# Altium PCB PCB_control_unit_2.PcbDoc (part 2 of 2)
Units mm, origin at the board's own origin, x right, y up, seen from the top; angles counter-clockwise.
Board outline 61.5 x 45 mm, 4 copper layers (Top Layer, INT1, INT2, Bottom Layer), stack 1.422 mm thick; 123 components, 75 nets, 403 pads, 141 vias.
Unrouted connection lines stored in the file: 8.
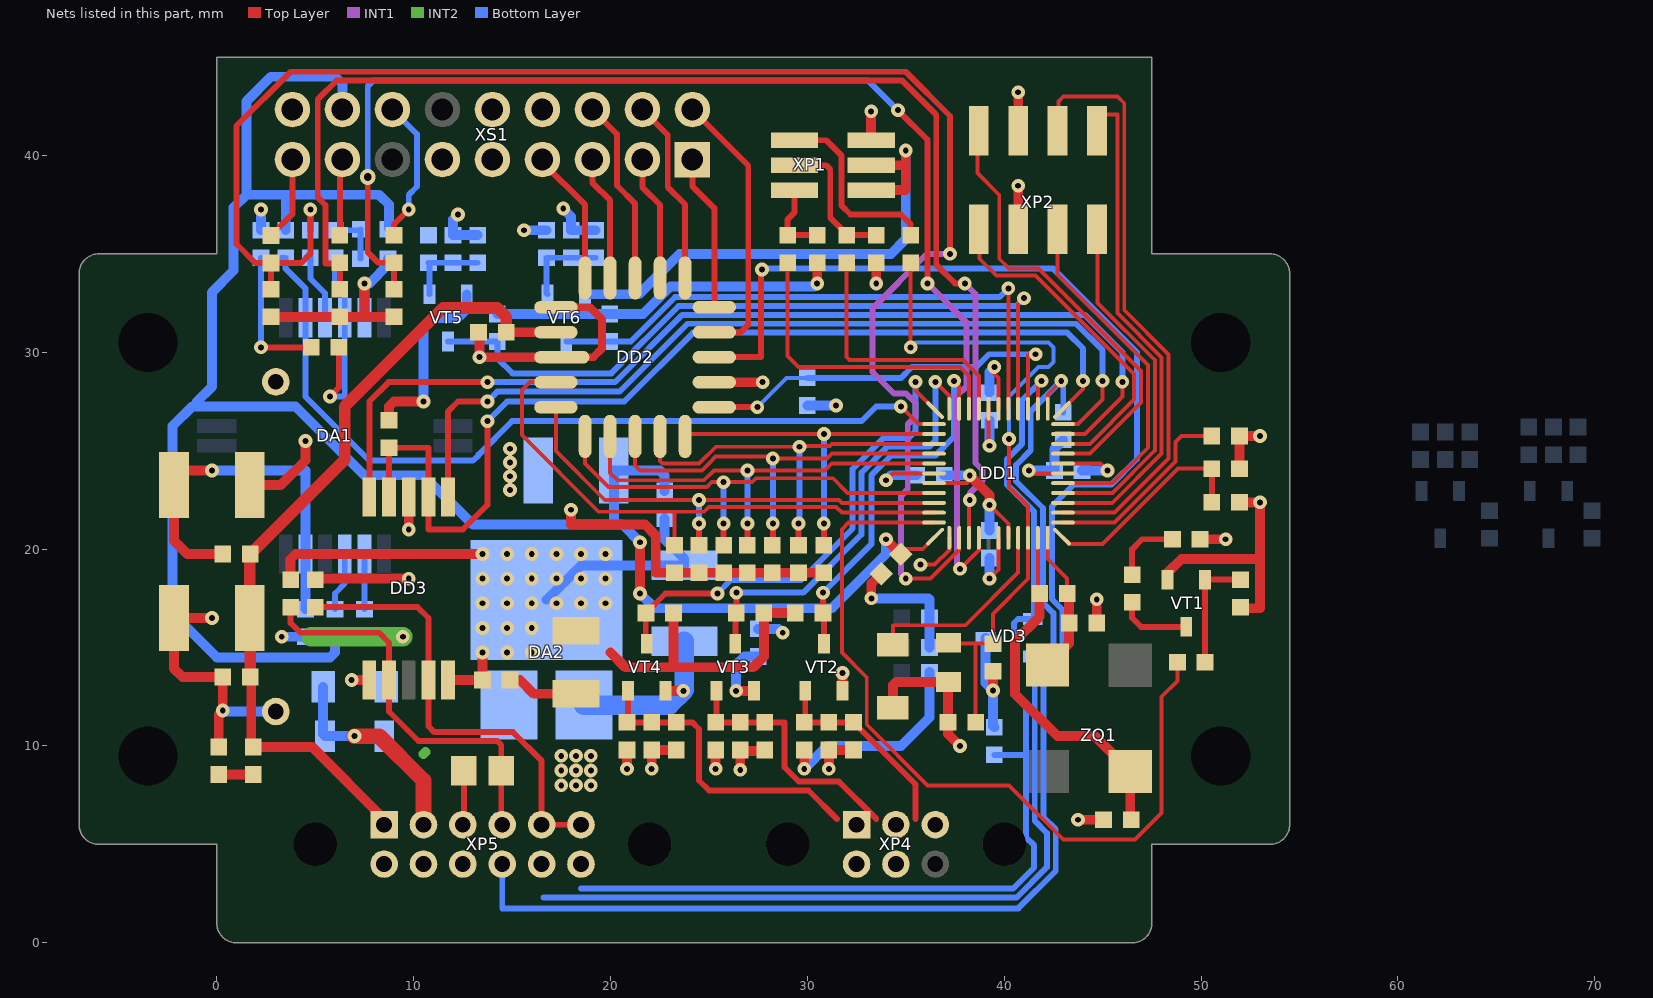
[diagram p4: the nets of this part, all layers, seen from the top]

## Via types
v1: diameter 0.7, hole 0.3, Top Layer to Bottom Layer, tented both sides, 140 vias
v2: diameter 0.8, hole 0.4, Top Layer to Bottom Layer, tented both sides, 1 vias

## Nets (pads, with @x,y where several pads share a name; then routed paths per layer and width w, separated by ;. In a path a pad name is that pad's centre, name@x,y a point inside that pad or via, vN(x,y) a via of type N, cw(c..) or ccw(c..) an arc to the next point about the centre after c; other vN are vias at no path point) (continued)
15DC_IN: R24.1 XS1.14 | length 7.4
  Top Layer w0.3: R24.1@9,35.95 9,36.5 v1(9.75,37.25)
  Bottom Layer w0.3: XS1.14@8.92,42.33 10.17,41.08 10.17,38.42 9.75,38 v1(9.75,37.25)
15VTEST: C14.2 DD1.28 R24.2 | length 66
  Top Layer w0.2: v1(37.75,19) 38.711,19.961 DD1.28@38.711,20.575
  Top Layer w0.3: v2(7.67,38.9) 7.67,35.08 8.2,34.55 R24.2@9,34.55 C14.2@9,33.2 ; v1(34.6,42.3) 36.1,40.8 v1(36.1,33.5)
  INT1 w0.3: v1(36.1,33.5) 38.094,31.506 38.094,28.281 37.6,27.786 37.6,19.15 v1(37.75,19)
  Bottom Layer w0.3: v2(7.67,38.9) 7.67,43.52 7.95,43.8 33.1,43.8 v1(34.6,42.3)
+3.3V(A): C9.2 C24.2 DD1.24 L2.1 R19.1 R20.1 R25.2 XS1.16 | length 106.5
  Top Layer w0.2: C9.2@35,20 35.861,20 DD1.24@36.491,20.63
  Top Layer w0.5: v1(21.5,17.75) v1(21.5,20.35) ; v1@34,20.49 C9.2@34.745,19.745 C9.2@34.745,19.755
  Bottom Layer w0.5: -1,27.5 -0.25,28.25 -0.25,33.05 0.85,34.15 0.85,37.35 1.5,38 ; R20.1@3.5,36.2 3.5,38 ; R25.2@6,15.55 6,14.75 5.75,14.5 0,14.5 -2.25,16.75 -2.25,26.25 -1.25,27.25 4,27.25 7.5,23.75 10.5,23.75 13,21.25 20.175,21.25 ; XS1.16@6.38,42.33 6.38,43.62 6,44 2.75,44 1.5,42.75 1.5,38 ; R19.1@8.75,36.3 8.75,37.5 8.25,38 3.5,38 ; v1(21.5,17.75) 22.25,17 31.25,17 34,19.75 v1(34,20.5) ; v1(21.5,20.35) 20.6,21.25 20.175,21.25 ; L2.1@22.75,22.95 22.75,23.75 22.5,24 C24.2@20.175,24 20.175,21.25 ; 1.5,38 3.5,38
+3.3V(D): C4.2 C5.2 C6.2 C7.2 C21.2 C22.2 C23.2 C27.1 DA2.1 DD1.7 DD1.19 DD1.31 DD1.42 DD3.8 L2.2 R3.1 R9.1 R10.2 R29.1 R33.1 R36.1 R38.1 R39.1 R41.1 R44.1 R47.1 R51.1 SRV.1 VD3.3 XP1.2 XP2.3 | length 88.8
  Top Layer w0.2: DD1.19@36.436,23.35 38.1,23.35 38.25,23.5 v1(38.25,23.75) ; DD1.7@39.211,27.125 39.211,25.289 v1(39.25,25.25) ; v1(39.25,22.25) 40.211,21.289 DD1.31@40.211,20.575 ; v1(41.25,24) 41.4,23.85 DD1.42@42.986,23.85
  Top Layer w0.5: R44.1@3.75,18.45 3.75,19.5 4,19.75 v1(13.5,19.75) ; DD3.8@11.75,13.35 C27.1@13.5,13.35 v1(13.5,14.75) ; 20,14.75 20.75,14 27.25,14 27.792,14.542 R33.1@27.792,16.75 R29.1@29.392,16.75 ; 23.2,14.05 R36.1@23.2,16.75 ; v1(30.5,33.5) R51.1@30.5,34.55 ; XP1.2@33.242,40.77 v1(33.242,42.242) ; v1(38.25,23.75) 39.25,22.75 v1(39.25,22.25) ; v1(39.429,12.821) R10.2@39.429,13.8 ; XP2.3@40.711,36.25 v1(40.711,38.461) ; R3.1@49.95,20.5 v1(51.25,20.5) ; SRV.1@51.95,24.089 R9.1@51.95,25.75 v1(53,25.75)
  Bottom Layer w0.5: R41.1@14.25,31.95 R47.1@19.961,31.95 21.649,31.95 23.049,33.35 30.35,33.35 v1(30.5,33.5) ; DA2.1@16.75,17.425 18.5,19.175 C23.2@23.75,19.175 23.75,19.5 22.75,20.5 L2.2@22.75,21.55 ; C22.2@27.5,15.95 28.55,15.95 v1(28.75,15.75) ; C4.2@36.95,23.75 v1(38.25,23.75) ; VD3.3@39.05,15.5 39.05,13.2 v1(39.429,12.821) 39.429,11.021 R39.1@39.5,10.95 ; C7.2@39.25,20.95 v1(39.25,22.25) ; v1(39.25,25.25) C5.2@39.25,26.55 ; v1(41.25,24) C6.2@42.55,24 42.55,25.1 R38.1@43,25.55
  other v1: 14.75,14.75 16,14.75 13.5,16 14.75,16 16,16 13.5,17.25 14.75,17.25 16,17.25 17.25,17.25 18.5,17.25 19.75,17.25 13.5,18.5 14.75,18.5 16,18.5 17.25,18.5 18.5,18.5 19.75,18.5 14.75,19.75 16,19.75 17.25,19.75 18.5,19.75 19.75,19.75
+5V(A): C11.2 C17.2 DA1.14 L1.1 | length 18.6
  Top Layer w0.5: C17.2@-2.175,23.25 -2.175,20.425 -1.5,19.75 L1.1@0.3,19.75 ; -1.425,24 v1(-0.25,24)
  Bottom Layer w0.5: v1(-0.25,24) 4.5,24 4.5,20.95 DA1.14@4.5,19.75 C11.2@4.5,16.95
+5V(D): C10.2 C15.2 C16.2 C20.2 C30.1 DA2.2 DD2.20 L1.2 R27.1 R28.1 R30.1 R34.1 R37.1 R42.1 R48.1 XP4.4 XP5.1 XS1.9 XS1.11 | length 54.9
  Top Layer w0.5: C15.2@1.7,13.5 1.75,13.45 R28.1@1.75,10.05 ; R28.1@1.85,9.95 4.85,9.95 XP5.1@8.5,6.3 ; C10.2@14.7,31.02 DD2.20@17.225,31.02 ; v1(20.842,8.839) R37.1@20.842,9.8 ; v1(25.342,8.839) R34.1@25.342,9.8 ; v1(29.842,8.839) R30.1@29.842,9.8
  Top Layer w0.6: L1.2@1.675,19.725 C16.2@1.675,16.5 1.7,16.475 C15.2@1.7,13.5 ; L1.2@1.7,19.75 6.5,24.55 6.5,27.25 11.5,32.25 14.25,32.25 14.7,31.8 C10.2@14.7,31.02
  Bottom Layer w0.5: v1(15.6,36.2) R48.1@16.75,36.2 ; v1(29.842,8.839) 31.003,10 34.75,10 36.2,11.45 R27.1@36.2,13.75
\R\E\S\E\T\: C8.2 DD1.33 R6.1 R10.1 RES.2 | length 35.1
  Top Layer w0.2: v1(35.25,30.25) R6.1@35.25,34.55 ; C8.2@37.171,15.25 37.221,15.2 38.5,15.2 ; RES.2@38.55,11.2 38.55,15.15 38.5,15.2 ; v1(40.25,25.6) 40.25,23.152 41.211,22.191 DD1.33@41.211,20.575 41.211,18.494 39.429,16.712 R10.1@39.429,15.2 38.5,15.2
  Bottom Layer w0.2: 35.5,30.5 42.25,30.5 42.5,30.25 42.5,29.5 42.25,29.25 41.751,29.25 40.25,27.749 v1(40.25,25.6)
A_P: DD3.6 R43.2 R44.2 XP5.7 | length 19.9
  Top Layer w0.3: R44.2@3.75,17.05 3.75,16.25 4.25,15.75 8.25,15.75 8.75,15.25 DD3.6@8.75,13.35 8.75,11.75 10.25,10.25 14.25,10.25 14.45,10.05 R43.2@14.45,8.75 14.45,6.35 XP5.7@14.5,6.3
ADR0: DD1.1 R38.2 VD3.2 XP5.10 | length 57.1
  Top Layer w0.2: DD1.1@42.211,27.125 42.211,27.861 v1(42.9,28.55)
  Bottom Layer w0.3: 16.6,2.3 40.631,2.3 42.169,3.838 42.169,5.581 41.55,6.2 41.55,14.45 VD3.2@41.45,14.55 42.05,14.55 42.5,15 42.5,16.75 41.969,17.281 41.969,22.086 40.6,23.456 40.6,24.269 41.35,25.019 41.35,27 v1(42.9,28.55) 43,28.45 R38.2@43,26.95
ADR1: DD1.2 R39.2 VD3.1 XP5.12 | length 53.9
  Top Layer w0.2: DD1.2@41.711,27.125 41.711,28.361 v1(41.9,28.55)
  Bottom Layer w0.3: 18.5,2.75 40.445,2.75 41.519,3.824 41.519,4.95 41.1,5.369 41.1,9.5 ; R39.2@39.5,9.55 41.05,9.55 41.1,9.5 ; v1(41.9,28.55) 40.9,27.55 40.9,25.331 40.15,24.581 40.15,23.269 41.519,21.9 41.519,16.519 VD3.1@41.45,16.45 40.7,16.45 40.5,16.25 40.5,12.75 41.1,12.15 41.1,9.5
AGND: C9.1 C11.1 C12.2 C13.1 C14.1 C17.1 C18.1 C24.1 C32.2 DA1.6 DD1.25 NT1.2 R23.2 R26.2 R31.2 XP6.1 XS1.18 | length 33.8
  Top Layer w0.2: v1(35.75,19.211) 36.461,19.211 37.211,19.961 DD1.25@37.211,20.575 DD1.25@37.2,20.564
  Top Layer w0.5: C17.1@1.675,23.25 3.25,23.25 4.5,24.5 v1(4.5,25.5) ; C12.2@2.75,31.8 C13.1@6.25,31.8 7.5,31.8 ; v1(7.5,33.5) 7.5,31.8 ; C14.1@9,31.8 7.5,31.8 ; v1(33.25,17.5) 33.25,18.25 C9.1@33.755,18.755
  INT2 w0.5: 10.5,9.6 10.6,9.7
  INT2 w1: 4.8,15.55 v1(9.45,15.55)
  Bottom Layer w0.5: C32.2@2.25,36.2 v1@2.25,37 ; v1(3.3,15.55) C11.1@4.5,15.55 ; R26.2@7.5,15.55 v1(9.45,15.55) ; DA1.6@7.5,31.9 v1(7.5,33.5) 7.75,33.5 8.7,34.45 R23.2@8.7,34.75 ; v1(33.25,17.5) 36.15,17.5 36.2,17.45 R31.2@36.2,15
  other v1: 14.9,23 14.9,23.7 14.9,24.4 14.9,25.1 2.25,37.25
B_N: DD3.7 R46.1 XP5.9 XP5.11 | length 22.9
  Top Layer w0.3: R46.1@5,17.05 10.2,17.05 10.75,16.5 DD3.7@10.75,13.35 10.75,11 11.05,10.7 15.05,10.7 16.5,9.25 XP5.9@16.5,6.3 ; XP5.9@16.5,6 XP5.11@18.5,6
DC_MOSFET: DD2.11 XP5.8 | length 88.9
  Top Layer w0.3: DD2.11@25.275,29.75 27.65,29.75 v1@27.65,34.2
  Bottom Layer w0.3: XP5.8@14.5,4 14.5,1.75 40.718,1.75 42.619,3.651 42.619,5.767 42,6.386 42,13.95 42.086,13.95 42.95,14.814 42.95,16.936 42.419,17.467 42.419,22.169 43.525,23.275 45.444,23.275 46.75,24.581 46.75,30 42.5,34.25 v1@27.75,34.25
  other v1: 27.7,34.2
DC_MOSFET_TTL: DD1.3 DD2.9 R17.1 | length 20.6
  Top Layer w0.2: DD1.3@41.211,27.125 41.211,29.861 41.25,29.9 v1(41.6,29.9)
  Top Layer w0.3: DD2.9@25.275,27.21 v1(27.46,27.21)
  Bottom Layer w0.2: v1(27.46,27.21) 28.95,28.7 R17.1@30,28.7
  Bottom Layer w0.3: R17.1@30,28.7 34.766,28.7 35.316,29.25 38.581,29.25 39.231,29.9 v1(41.6,29.9)
DE1(RS): DD1.48 DD3.2 DD3.3 R50.1 | length 52.3
  Top Layer w0.2: DD1.48@42.931,27.07 44,28.139 v1(44,28.55)
  Top Layer w0.3: DD3.3@8.75,22.65 R50.1@8.75,25.15 10.75,25.15 DD3.2@10.75,22.65 10.75,21 12.5,21 13.75,22.25 v1(13.75,26.5)
  Bottom Layer w0.3: v1(13.75,26.5) 14.75,27.5 20.7,27.5 24.2,31 43.2,31 44,30.2 v1@44,28.706
DGND: C1.1 C2.2 C3.2 C4.1 C5.1 C6.1 C7.1 C8.1 C10.1 C15.1 C16.1 C19.2 C20.1 C21.1 C22.1 C23.1 C25.2 C26.2 C27.2 C28.2 C30.2 C31.2 DA2.3 DD1.6 DD1.18 DD1.30 DD1.43 DD2.1 DD2.10 DD2.19 DD3.5 DD3.9 NT1.1 R5.2 R8.1 R11.2 R12.2 R13.2 R14.2 R15.2 R16.2 R17.2 R32.1 R35.1 R40.1 R45.1 R46.2 R49.1 R50.2 R52.1 R55.2 RES.1 VD2.2 VT1.2 VT2.2 VT3.2 VT4.2 VT5.2 VT6.2 XP1.4 XP1.6 XP2.4 XP3.1 XP4.2 XP5.3 XP5.4 XS1.8 XS1.10 | length 168.2
  Top Layer w0.2: v1(34,23.5) 34.35,23.85 DD1.18@36.436,23.85 ; v1(39.25,18.5) 39.711,18.961 DD1.30@39.711,20.575 ; v1(39.5,29.25) 39.5,28.9 39.711,28.689 DD1.6@39.711,27.125 ; DD1.43@42.986,24.35 44.9,24.35 v1(45.25,24)
  Top Layer w0.4: DD2.1@17.225,29.75 19.13,29.75 19.571,30.191 19.571,31.679 18.96,32.29 DD2.19@17.225,32.29
  Top Layer w0.5: v1(-0.25,16.5) C16.1@-2.175,16.5 -2.175,13.925 -1.75,13.5 C15.1@0.3,13.5 v1(0.3,11.8) 0.1,11.6 VD2.2@0.1,9.95 ; R46.2@5,18.45 5.05,18.5 v1(9.75,18.5) ; v1(6.85,13.35) DD3.5@7.75,13.35 ; R50.2@8.75,26.55 8.75,27.25 9,27.5 v1(10.5,27.5) ; v1(9.75,21) DD3.9@9.75,22.65 ; C10.1@13.3,31.02 13.35,30.97 v1(13.35,29.75) DD2.1@17.225,29.75 ; C27.2@14.9,13.35 15.4,13.35 16.1,12.65 C21.1@17.75,12.65 ; v1(18,22) 18,21.25 21.75,21.25 22.3,20.7 22.3,18.8 R11.2@23.25,18.8 R12.2@24.5,18.8 R55.2@26.953,18.8 R14.2@28.217,18.8 R15.2@29.551,18.8 R16.2@30.837,18.8 ; v1(22.092,8.839) R40.1@22.092,9.8 C26.2@23.342,9.8 ; VT4.2@22.792,12.8 v1(23.7,12.8) ; DD2.10@25.295,28.5 DD2.10@25.275,28.48 v1(27.73,28.48) ; v1(26.384,12.8) VT3.2@27.292,12.8 ; v1(26.592,8.789) 26.592,9.75 C25.2@27.631,9.75 ; v1(31.092,8.839) R32.1@31.092,9.8 C19.2@32.342,9.8 ; VT2.2@31.792,12.8 v1(31.792,13.708) ; XP1.6@33.242,38.23 33.262,38.25 35,38.25 35,39.5 ; XP1.4@33.242,39.5 35,39.5 ; v1(33.5,33.5) R52.1@33.5,34.55 ; C1.1@34.35,11.95 34.35,13.1 34.5,13.25 C8.1@37.171,13.25 ; v1(35,40.25) 35,39.5 ; C8.1@37.15,13.229 RES.1@37.15,11.2 37.15,10.6 v1(37.75,10) ; XP2.4@40.711,41.25 v1(40.711,43.211) ; v1(43.75,6.25) C2.2@45.05,6.25 ; C3.2@44.7,16.25 v1(44.7,17.45) ; VT1.2@48.3,18.45 48.3,18.8 49,19.5 53,19.5 ; R5.2@51.95,22.377 v1(53,22.377) 53,19.5 ; R8.1@52,17.05 52.05,17 53,17 53,19.5
  Top Layer w0.8: v1(7,10.5) 8.25,10.5 10.5,8.25 XP5.3@10.5,6.3
  Bottom Layer w0.5: v1(0.3,11.8) 0.35,11.75 XP3.1@3,11.75 ; C30.2@5.4,13 5.4,10.6 C20.1@5.5,10.5 v1(7,10.5) ; v1(10.5,27.5) 10.5,31.25 11,31.75 12.25,31.75 12.7,32.2 VT5.2@12.7,32.95 ; v1(12.25,37) 12,36.75 R45.1@12,35.95 C28.2@13.25,35.95 ; v1(17.6,37.3) 18,36.9 R49.1@18,36.2 C31.2@19.25,36.2 ; VT6.2@18.7,32.95 21.45,32.95 23.5,35 34.25,35 35,35.75 v1(35,40.25) ; v1(26.384,12.8) 26.384,14.134 26.8,14.55 C22.1@27.5,14.55 ; R17.2@30,27.3 v1(31.45,27.3) ; v1(34,23.5) 34.25,23.75 C4.1@35.55,23.75 ; v1(39.25,18.5) C7.1@39.25,19.55 ; C5.1@39.25,27.95 39.25,29 v1(39.5,29.25) ; C6.1@43.95,24 v1(45.25,24)
  Bottom Layer w1: DA2.3@18.655,12.075 22.975,12.075 v1(23.7,12.8) 23.75,12.85 C23.1@23.75,15.325
  other v1: 17.5,8 18.25,8 19,8 17.5,8.75 18.25,8.75 19,8.75 17.5,9.5 18.25,9.5 19,9.5
DI1(RS): DD1.46 DD3.4 | length 51.8
  Top Layer w0.2: DD1.46@42.986,25.85 44.1,25.85 46,27.75 v1(46,28.5)
  Top Layer w0.3: DD3.4@7.75,22.65 7.75,27.5 8.73,28.48 v1(13.75,28.48)
  Bottom Layer w0.3: v1(13.75,28.48) 20.23,28.48 23.65,31.9 44.1,31.9 46,30 v1(46,28.5)
HALL_A: DD1.10 R29.2 VT2.3 | length 19
  Top Layer w0.2: v1(37.444,28.55) 37.711,28.283 DD1.10@37.711,27.125
  Top Layer w0.3: v1(30.792,17.789) R29.2@30.792,16.75 R29.2@30.842,16.8 ; VT2.3@30.842,15.2 R29.2@30.842,16.7
  Bottom Layer w0.3: v1(30.792,17.789) 33.25,20.247 33.25,23.75 34.25,24.75 36.5,24.75 37.444,25.694 v1(37.444,28.55) v1@37.437,28.55
"HALL_A (5V)": C19.1 R30.2 R32.2 VT2.1 XP4.5 | length 10.3
  Top Layer w0.3: R30.2@29.842,11.2 C19.1@32.342,11.2 35.5,8.042 35.5,6.3 ; R30.2@29.892,11.25 VT2.1@29.892,12.8
HALL_B: DD1.11 R33.2 VT3.3 | length 22.3
  Top Layer w0.2: v1(36.5,28.5) 37.211,27.789 DD1.11@37.211,27.125
  Top Layer w0.3: VT3.3@26.342,15.2 R33.2@26.342,16.7 ; R33.2@26.392,16.75 v1(26.392,17.789)
  Bottom Layer w0.3: v1(26.392,17.789) 29.789,17.789 32.75,20.75 32.75,23.886 34.064,25.2 36.2,25.2 36.5,25.5 v1(36.5,28.5)
"HALL_B (5V)": C25.1 R34.2 R35.2 VT3.1 XP4.3 | length 13.1
  Top Layer w0.3: R34.2@25.342,11.2 R35.2@26.592,11.2 C25.1@27.842,11.2 28.842,11.2 28.842,8.919 29.573,8.189 31.611,8.189 33.5,6.3 ; R34.2@25.392,11.25 VT3.1@25.392,12.8
HALL_C: DD1.12 R36.2 VT4.3 | length 25.2
  Top Layer w0.2: v1(35.5,28.5) 35.5,28.061 DD1.12@36.491,27.07
  Top Layer w0.3: VT4.3@21.792,15.25 21.792,16.75 22.792,17.75 v1(25.434,17.75)
  Bottom Layer w0.3: v1(25.434,17.75) 26.123,18.439 26.661,18.439 26.675,18.425 29.675,18.425 32.3,21.05 32.3,24.073 33.877,25.65 35.15,25.65 35.5,26 v1(35.5,28.5)
"HALL_C (5V)": C26.1 R37.2 R40.2 VT4.1 XP4.1 | length 15.8
  Top Layer w0.3: VT4.1@20.892,12.8 20.892,11.2 R40.2@22.092,11.2 C26.1@23.342,11.2 24.16,11.2 24.5,10.86 24.5,8.25 25.011,7.739 30.061,7.739 31.5,6.3
HI1: DD2.18 XS1.7 | length 6.9
  Top Layer w0.3: XS1.7@16.54,39.79 16.54,39.66 18.71,37.49 DD2.18@18.71,33.775
HI1_TTL: DD1.22 DD2.2 R11.1 | length 28.7
  Top Layer w0.2: DD2.2@17.225,28.48 15.9,28.48 15.5,28.08 15.5,25.8 19.4,21.9 23.25,21.9 ; R11.1@23.25,20.2 23.25,21.9 ; DD1.22@36.436,21.85 31.755,21.85 31.455,22.15 24.999,22.15 24.749,21.9 23.25,21.9
HI2: DD2.16 XS1.6 | length 9.5
  Top Layer w0.3: XS1.6@19.08,42.33 20.33,41.08 20.33,38.47 21.25,37.55 DD2.16@21.25,33.775
HI2_TTL: DD1.20 DD2.4 R13.1 | length 23.3
  Top Layer w0.2: DD2.4@18.71,25.725 18.71,24.34 19.9,23.15 24.895,23.15 25.145,23.4 v1(25.745,23.4) 27.201,23.4 27.401,23.6 31.3,23.6 32.05,22.85 DD1.20@36.436,22.85
  Top Layer w0.3: R13.1@25.75,20.2 v1(25.75,21.299)
  Bottom Layer w0.3: v1(25.75,21.299) v1@25.75,23.395
HI3: DD2.14 XS1.4 | length 9.5
  Top Layer w0.3: XS1.4@21.62,42.33 22.91,41.04 22.91,38.39 23.79,37.51 DD2.14@23.79,33.775
HI3_TTL: DD1.16 DD2.6 R14.1 | length 21.8
  Top Layer w0.2: DD2.6@21.25,25.725 21.25,24.25 21.5,24 24.645,24 24.995,24.35 25.345,24.7 28.145,24.7 v1(28.245,24.6) 28.245,24.355 28.49,24.6 30.995,24.6 31.245,24.85 DD1.16@36.436,24.85
  Top Layer w0.3: R14.1@28.245,20.25 v1(28.245,21.299)
  Bottom Layer w0.3: v1(28.245,24.6) 28.245,21.404 v1@28.25,21.399
IDC: C12.1 DD1.26 R18.2 R22.1 | length 84.5
  Top Layer w0.2: v1(35,18.5) 36.25,18.5 37.711,19.961 DD1.26@37.711,20.575
  Top Layer w0.3: C12.1@2.75,33.2 R18.2@2.75,34.53 ; v1(4.75,37.25) 4.75,35 4.28,34.53 R18.2@2.75,34.53 ; v1(37.25,35) 37.25,42 35,44.25 3.75,44.25 1,41.5 1,35.5 1.97,34.53 R18.2@2.75,34.53
  INT1 w0.3: 34.75,18.75 34.75,22.694 35.1,23.044 35.1,26.35 35.5,26.75 35.5,27.419 35.019,27.9 34.4,27.9 33.3,29 33.3,32.219 36.081,35 v1(37.25,35) ; v1(35,18.5) v1@35.1,18.6
  Bottom Layer w0.3: R22.1@4.75,36.2 v1(4.75,37.25)
IDC_IN: R18.1 XS1.17 | length 4.5
  Top Layer w0.3: R18.1@2.75,35.93 3.84,37.02 XS1.17@3.84,39.79 XS1.17@4,39.63
LED: DD1.23 R7.2 | length 41.2
  Top Layer w0.2: DD1.23@36.436,21.35 32.1,21.35 31.75,21 31.75,14.75 33.017,13.483 33.017,11.091 36.108,8 40.25,8 43,5.25 46.654,5.25 48,6.596 48,12.5 48.8,13.3 R7.2@48.8,14.25
LIMIT_L: DD1.4 R41.2 VT5.3 | length 37.7
  Top Layer w0.2: DD1.4@40.711,27.125 40.711,32.461 v1(41,32.75)
  Bottom Layer w0.3: VT5.3@11.75,30.55 R41.2@14.25,30.55 14.25,29.7 15.02,28.93 20.044,28.93 23.464,32.35 40.6,32.35 v1(41,32.75)
"Limit_L (5V)": C28.1 R42.2 R45.2 VT5.1 XP5.2 | length 4.1
  Bottom Layer w0.3: VT5.1@10.8,32.95 10.8,34.5 R42.2@10.75,34.55 R45.2@12,34.55 C28.1@13.25,34.55
LIMIT_R: DD1.5 R47.2 VT6.3 | length 29.7
  Top Layer w0.2: DD1.5@40.211,27.125 v1(40.211,33.25)
  Bottom Layer w0.3: VT6.3@17.75,30.55 R47.2@19.961,30.55 21.027,30.55 23.277,32.8 39.761,32.8 v1(40.211,33.25)
"Limit_R (5V)": C31.1 R48.2 R49.2 VT6.1 XP5.6 | length 4.4
  Bottom Layer w0.3: VT6.1@16.8,32.95 16.75,33 R48.2@16.75,34.8 R49.2@18,34.8 C31.1@19.25,34.8
LO1: DD2.17 XS1.5 | length 6.4
  Top Layer w0.3: XS1.5@19.08,39.79 19.08,38.62 19.98,37.72 DD2.17@19.98,33.775
LO1_TTL: DD1.21 DD2.3 R12.1 | length 24.8
  Top Layer w0.2: DD2.3@17.225,27.21 17.225,24.983 19.708,22.5 v1(24.5,22.5) 31.6,22.5 31.75,22.35 DD1.21@36.436,22.35
  Top Layer w0.3: R12.1@24.5,20.2 v1(24.5,21.299)
  Bottom Layer w0.3: v1(24.5,21.299) v1(24.5,22.5)
LO2: DD2.15 XS1.3 | length 6.4
  Top Layer w0.3: XS1.3@21.62,39.79 21.62,38.38 22.52,37.48 DD2.15@22.52,33.775
LO2_TTL: DD1.17 DD2.5 R55.1 | length 22.6
  Top Layer w0.2: DD2.5@19.98,25.725 19.98,23.87 20.35,23.5 24.75,23.5 25.25,24 v1(26.953,24) 30.89,24 31.24,24.35 DD1.17@36.436,24.35
  Top Layer w0.3: R55.1@26.953,20.2 v1(26.953,21.299)
  Bottom Layer w0.3: v1(26.953,21.299) v1(26.953,24)
LO3: DD2.13 XS1.1 | length 8
  Top Layer w0.3: XS1.1@24.16,39.79 24.16,38.44 25.275,37.325 DD2.13@25.275,32.29
LO3_TTL: DD1.15 DD2.7 R15.1 | length 20.7
  Top Layer w0.2: DD2.7@22.52,25.725 22.52,24.48 22.65,24.35 24.5,24.35 25.35,25.2 29.444,25.2 29.6,25.044 v1(29.6,25.2) 29.65,25.25 31.15,25.25 31.25,25.35 DD1.15@36.436,25.35
  Top Layer w0.3: R15.1@29.551,20.25 v1(29.551,21.299)
  Bottom Layer w0.3: v1@29.556,21.399 29.6,21.443 v1(29.6,25.2)
NetC1_2: C1.2 DD1.32 | length 10.2
  Top Layer w0.2: C1.2@34.35,15.15 34.35,16.134 38.025,16.134 40.711,18.82 DD1.32@40.711,20.575
NetC2_1: C2.1 DD1.34 R1.2 ZQ1.1 | length 18.2
  Top Layer w0.2: DD1.34@41.711,20.575 41.711,17.839 R1.2@41.8,17.75
  Top Layer w0.5: R1.2@41.8,17.75 41.8,16.567 40.556,15.323 40.556,12.644 42.7,10.5 44.6,10.5 ZQ1.1@46.4,8.7 C2.1@46.4,6.5
NetC3_1: C3.1 DD1.35 R1.1 ZQ1.3 | length 7.4
  Top Layer w0.2: DD1.35@42.211,20.575 42.211,19.5 43.2,18.511 R1.1@43.2,17.75
  Top Layer w0.5: ZQ1.3@42.2,14.11 43.3,15.21 C3.1@43.3,16.25 43.3,17.65 R1.1@43.2,17.75
NetDA1_4: DA1.4 R22.2 | length 3.4
  Bottom Layer w0.3: R22.2@4.75,34.8 4.75,33.75 5.5,33 DA1.4@5.5,31.75
NetDA1_5: DA1.5 R53.1 R54.2 | length 10.7
  Top Layer w0.3: v1(5.75,27.75) 6.2,28.2 R53.1@6.2,30.25
  Bottom Layer w0.3: v1(5.75,27.75) 6.5,27.75 6.5,30.55 6.5,33 6,33.5 R54.2@6,34.8
NetDA1_11: DA1.11 R26.1 | length 2.8
  Bottom Layer w0.3: R26.1@7.5,16.95 DA1.11@7.5,19.75
NetDA1_12: DA1.12 R25.1 | length 3
  Bottom Layer w0.3: R25.1@6,16.95 6,17.75 6.5,18.25 DA1.12@6.5,19.75
NetDD1_36: DD1.36 R5.1 SRV.2 | length 10.9
  Top Layer w0.2: DD1.36@42.931,20.63 43.311,20.25 45,20.25 48.839,24.089 SRV.2@50.55,24.089
  Top Layer w0.3: R5.1@50.55,22.589 SRV.2@50.55,24.089
NetDD1_37: DD1.37 R9.2 | length 10.1
  Top Layer w0.2: DD1.37@42.986,21.35 45.595,21.35 48.7,24.455 48.7,25.45 49,25.75 R9.2@50.55,25.75 R9.2@50.45,25.85
NetR2_2: R2.2 R51.2 XP1.5 | length 3.9
  Top Layer w0.3: XP1.5@29.342,38.23 29.342,37.092 29,36.75 R2.2@29,35.95 R51.2@30.5,35.95
NetR3_2: R3.2 VD1.1 | length 3.6
  Top Layer w0.3: VD1.1@46.5,18.7 46.5,20 47,20.5 R3.2@48.55,20.5
NetR4_2: R4.2 R52.2 XP1.3 | length 7
  Top Layer w0.3: XP1.3@29.342,39.5 30.955,39.5 31.162,39.293 31.162,36.838 R4.2@32,36 ; R4.2@32,35.95 R52.2@33.5,35.95
NetR6_2: R6.2 XP1.1 | length 9.7
  Top Layer w0.3: XP1.1@29.342,40.77 30.955,40.77 31.742,39.983 31.742,37.45 32.192,37 34.75,37 35.25,36.5 R6.2@35.25,35.95
NetR7_1: R7.1 R8.2 VT1.1 | length 6
  Top Layer w0.3: R7.1@50.2,14.25 VT1.1@50.2,18.45 R8.2@52,18.45
NetR19_2: R19.2 R23.1 R54.1 | length 2.8
  Bottom Layer w0.3: R54.1@6,36.2 7.25,36.2 R19.2@7.3,36.25 R23.1@7.3,34.75
NetR28_2: R28.2 VD2.1 | length 1.7
  Top Layer w0.5: VD2.1@0.1,8.55 R28.2@1.85,8.55
NetR43_1: R43.1 XP5.5 | length 2.5
  Top Layer w0.3: XP5.5@12.5,6.3 12.55,6.35 R43.1@12.55,8.75
NetVD1_2: VD1.2 VT1.3 | length 3.7
  Top Layer w0.3: VD1.2@46.5,17.3 46.5,16.5 46.95,16.05 VT1.3@49.25,16.05
RO1(RS): DD1.47 DD3.1 | length 45
  Top Layer w0.2: DD1.47@42.986,26.35 43.75,26.35 45,27.6 v1(45,28.55)
  Top Layer w0.3: DD3.1@11.75,22.65 11.75,27 12.25,27.5 v1(13.75,27.5)
  Bottom Layer w0.3: v1(13.75,27.5) 14.25,28 20.461,28 23.911,31.45 43.65,31.45 45,30.1 v1(45,28.55)
SD: DD2.12 XS1.2 | length 14
  Top Layer w0.3: XS1.2@24.16,42.33 27,39.49 27,31.4 26.62,31.02 DD2.12@25.275,31.02
SD_TTL: DD1.14 DD2.8 R16.1 | length 18
  Top Layer w0.2: DD2.8@23.915,25.85 v1(30.842,25.85) DD1.14@36.436,25.85
  Top Layer w0.3: R16.1@30.837,20.25 v1(30.837,21.299)
  Bottom Layer w0.3: v1@30.842,21.399 v1(30.842,25.85)
SPI_FSS: DD1.38 XP2.6 | length 29.8
  Top Layer w0.2: XP2.6@42.75,42 42.75,42.75 43,43 45.75,43 46.1,42.65 46.1,32.14 48.35,29.89 48.35,24.6 45.6,21.85 DD1.38@42.986,21.85
SPI_RX: DD1.40 XP2.7 | length 18
  Top Layer w0.2: DD1.40@42.986,22.85 45.495,22.85 47.65,25.005 47.65,29.6 44.75,32.5 XP2.7@44.75,36.25
SPI_SCK: DD1.39 XP2.8 | length 25.1
  Top Layer w0.2: DD1.39@42.986,22.35 45.49,22.35 48,24.86 48,29.745 45.75,31.995 45.75,42.08 XP2.8@44.83,42.08
SPI_TX: DD1.41 XP2.5 | length 18.8
  Top Layer w0.2: XP2.5@42.7,36.95 42.7,33.95 47.3,29.35 47.3,25.15 45.5,23.35 DD1.41@42.986,23.35
SWCLK: DD1.8 R4.1 | length 13.6
  Top Layer w0.2: R4.1@32,34.55 32,29.75 32.15,29.6 37.906,29.6 38.711,28.795 DD1.8@38.711,27.125
SWDIO: DD1.9 R2.1 | length 16
  Top Layer w0.2: R2.1@29,34.55 29,29.806 29.556,29.25 37.761,29.25 38.211,28.8 DD1.9@38.211,27.125
TZ: C32.1 DA1.3 DD1.13 R20.2 R53.2 | length 50.6
  Top Layer w0.2: v1(34.75,27.25) 35.65,26.35 DD1.13@36.436,26.35
  Top Layer w0.3: v1(2.25,30.25) R53.2@4.8,30.25
  Bottom Layer w0.3: v1(2.25,30.25) C32.1@2.25,34.8 R20.2@3.5,34.8 3.5,34.25 4.5,33.25 4.5,27.75 7.75,24.5 13.024,24.5 13.3,24.776 13.3,24.8 15,26.5 32.75,26.5 33.5,27.25 v1(34.75,27.25)
UART_RX: DD1.45 XP2.1 | length 18.4
  Top Layer w0.2: XP2.1@38.75,37 38.75,34.75 39.6,33.9 41.6,33.9 46.6,28.9 46.6,27.6 44.35,25.35 DD1.45@42.986,25.35
UART_TX: DD1.44 XP2.2 | length 23.2
  Top Layer w0.2: XP2.2@38.711,41.25 38.642,41.25 38.642,39.108 39.75,38 39.75,34.75 40.25,34.25 41.745,34.25 46.95,29.045 46.95,27.45 44.35,24.85 DD1.44@42.986,24.85
UDC: C13.2 DD1.27 R21.2 | length 66.1
  Top Layer w0.2: DD1.27@38.211,20.575 38.211,22.461 v1(38.25,22.5)
  Top Layer w0.3: R21.2@6.125,34.425 6.05,34.5 5.525,34.5 5.525,37.475 5.13,37.87 5.13,42.848 6.082,43.8 34.814,43.8 36.55,42.064 36.55,34.45 37.5,33.5 v1(38,33.5) ; C13.2@6.25,33.2 R21.2@6.25,34.55
  INT1 w0.3: v1(38,33.5) 38.544,32.956 38.544,24.375 38.9,24.019 38.9,23.481 38.25,22.831 v1(38.25,22.5)
UDC_IN: R21.1 XS1.15 | length 4.1
  Top Layer w0.3: R21.1@6.25,35.7 6.25,39.66 XS1.15@6.38,39.79
pads on no net: C28_1.1 C28_1.2 C31_1.1 C31_1.2 DA1.1 DA1.2 DA1.7 DA1.8 DA1.9 DA1.10 DA1.13 DA1.15 DA1.16 DD3.10 R41_1.1 R41_1.2 R42_1.1 R42_1.2 R45_1.1 R45_1.2 R47_1.1 R47_1.2 R48_1.1 R48_1.2 R49_1.1 R49_1.2 VD3. VT1. VT2. VT3. VT4. VT5. VT5_1. VT5_1.1 VT5_1.2 VT5_1.3 VT6. VT6_1. VT6_1.1 VT6_1.2 VT6_1.3 XP1. XP2. XP4.0 XP4.6 XP5.0 XS1.12 XS1.13 ZQ1. ZQ1.2 ZQ1.4
copper on no net: | length 22.5
  Bottom Layer w0.3: 61.2,22.95 61.2,24.5 61.15,24.55 62.4,24.55 63.65,24.55 ; 62.15,20.55 64.65,20.55 ; 66.7,22.95 66.65,23 66.65,24.8 67.9,24.8 69.15,24.8 ; 67.65,20.55 69.861,20.55 70.927,20.55
  Bottom Layer w0.5: 60.9,21.25 61.4,21.75 62.65,21.75 63.1,22.2 63.1,22.95 ; 62.65,27 62.4,26.75 62.4,25.95 63.65,25.95 ; v1(67.5,27.3) 67.9,26.9 67.9,26.2 69.15,26.2

## Polygon pours and split planes (outlines as drawn)
+3.3V(D) on INT1 "+3.3V(D)_L02_P000" (solid, remove dead copper, pour order 0): 37.75,11.75 37.75,0 54.25,0 54.5,0.25 54.5,11.75 54.5,34 ccw(c53.5,34) 53.5,35 47.5,35 47.5,44.25 28.6,44.25 28.6,35.7 13,35.7 13,11.75
+5V(D) on INT1 "+5V(D)_L02_P005" (solid, remove dead copper, pour order 5): 4.1,8.5 -7,8.5 -7,0 37,0 37,11 7.9,11 7.9,36.3 27.8,36.3 27.8,44.25 0,44.25 0,36.3 4.1,36.3
+3.3V(D) on Top Layer "+3.3V(D)_L01_P001" (solid, remove dead copper, pour order 1): 12.75,20.5 20.5,20.5 20.5,14.3 12.75,14.3
DGND on INT2 "DGND_L03_P010" (solid, pour order 10): 0,1 0,5 -6,5 cw(c-6,6) -7,6 -7,34 cw(c-6,34) -6,35 0,35 0,45 47.5,45 47.5,35 53.5,35 cw(c53.5,34) 54.5,34 54.5,6 cw(c53.5,6) 53.5,5 47.5,5 47.5,1 cw(c46.5,1) 46.5,0 1,0 cw(c1,1)
AGND on INT2 "AGND_L03_P008" (solid, remove dead copper, pour order 8): 8.25,25.5 15.5,25.5 15.5,22.5 5.25,22.5 5.25,13.25 32.75,13.25 32.75,19.75 36.5,19.75 36.5,12 34.25,9.75 12.25,9.75 12.25,7.5 3.5,7.5 0.6,10.4 0.6,45 8.25,45

## Keep-outs
Top Layer:
  lines w0.02: -5.6,8 ccw(c-3.5,8) -1.4,8 -1.4,11 ccw(c-3.5,11) -5.6,11 -5.6,8 ; -5.6,29 ccw(c-3.5,29) -1.4,29 -1.4,32 ccw(c-3.5,32) -5.6,32 -5.6,29 ; 48.9,8 ccw(c51,8) 53.1,8 53.1,11 ccw(c51,11) 48.9,11 48.9,8 ; 48.9,29 ccw(c51,29) 53.1,29 53.1,32 ccw(c51,32) 48.9,32 48.9,29
Bottom Layer:
  lines w0.02: -5.6,8 ccw(c-3.5,8) -1.4,8 -1.4,11 ccw(c-3.5,11) -5.6,11 -5.6,8 ; -5.6,29 ccw(c-3.5,29) -1.4,29 -1.4,32 ccw(c-3.5,32) -5.6,32 -5.6,29 ; 48.9,8 ccw(c51,8) 53.1,8 53.1,11 ccw(c51,11) 48.9,11 48.9,8 ; 48.9,29 ccw(c51,29) 53.1,29 53.1,32 ccw(c51,32) 48.9,32 48.9,29
Keep-Out Layer:
  lines w0.2: 0,1 ccw(c1,1) 1,0 ; -7,6 ccw(c-6,6) -6,5 0,5 0,0 46.5,0 ccw(c46.5,1) 47.5,1 47.5,5 53.5,5 ccw(c53.5,6) 54.5,6 54.5,34 ccw(c53.5,34) 53.5,35 47.5,35 47.5,45 0,45 0,35 -6,35 ccw(c-6,34) -7,34 -7,6

## Other copper
Top Layer:
  region net DGND: 17.05,12.65 17.05,10 17.05,7.6 19.45,7.6 19.45,12.65
  text "Э253421" at 20.7,1.5 h2.5
INT2:
  rectangle net AGND: 9.4,7.5 12.2,8.9
Bottom Layer:
  rectangle net AGND: 14.5,22.5 16,25.5
  region net +5V(D): 8.1,5.5 8.1,13.6 16.2,13.6 16.2,10.7 8.9,10.7 8.9,5.5
  region net DGND: 17.4,10.5 17.4,9.7 10,9.7 10,4.3 11,4.3 11,7.6 19.9,7.6 19.9,10.5

## Silkscreen, mask and mechanical layers (free items; w line width, h text height)
Top Overlay:
  text "18" at 18.2,35.5 h1.5
  text "14" at 23.2,35.5 h1.5
  text "13" at 27.1,32.7 h1.5 r270
  text "19" at 15.5,32 h1.5 r90
  text "9" at 27.8,27.5 h1.5 r270
  text "3" at 15.5,27.1 h1.5 r90
  text "4" at 19.1,23.9 h1.5 r180
  text "8" at 24,23.9 h1.5 r180
  text "TEST" at 46.8,21.9 h1.5 r90
  text "468332.338" at -4.2,15.8 h2.5 r90
  text "5V" at -0.25,6 h1.5 r90
Bottom Overlay:
  text "PWM" at 26.5,41.5 h1.5 r270
  text "MAIN" at 5.8,0.8 h1.5
  text "HALL" at 28.9,0.8 h1.5
Drill Drawing:
  circle w0.254: c66.551,15.22 r0.847
  lines w0.254: 65.704,18.183 67.397,18.183 67.397,19.877 65.704,19.877 65.704,18.183 ; 65.704,22.417 66.127,22.417 66.127,21.993 66.974,21.993 66.974,22.417 67.397,22.417 67.397,23.263 66.974,23.263 66.974,23.687 66.127,23.687 66.127,23.263 65.704,23.263 65.704,22.417 ; 65.704,25.803 65.704,26.227 66.127,26.65 65.704,27.073 65.704,27.497 66.127,27.497 66.551,27.073 66.974,27.497 67.397,27.497 67.397,27.073 66.974,26.65 67.397,26.227 67.397,25.803 66.974,25.803 66.551,26.227 66.127,25.803 65.704,25.803 ; 65.704,30.037 66.127,30.037 66.551,29.613 66.974,30.037 67.397,30.037 66.974,30.46 67.397,30.883 66.974,30.883 66.551,31.307 66.127,30.883 65.704,30.883 66.127,30.46 65.704,30.037 ; 65.704,35.117 67.397,35.117 66.551,33.423 65.704,35.117
  lines w0.381: 64.185,13.23 402.469,13.23 ; 64.185,36.09 402.469,36.09 ; 78.177,9.42 78.177,39.9 ; 93.159,9.42 93.159,39.9 ; 122.107,9.42 122.107,39.9 ; 134.956,9.42 134.956,39.9 ; 153.595,9.42 153.595,39.9 ; 191.683,9.42 191.683,39.9 ; 206.666,9.42 206.666,39.9 ; 225.609,9.42 225.609,39.9 ; 247.701,9.42 247.701,39.9 ; 269.386,9.42 269.386,39.9 ; 303.26,9.42 303.26,39.9 ; 337.133,9.42 337.133,39.9 ; 366.843,9.42 366.843,39.9 ; 64.185,9.42 402.469,9.42 402.469,39.9 64.185,39.9 64.185,9.42
  text "Symbol" at 66.471,37.233 h1.83
  text "Count" at 79.32,37.233 h1.83
  text "Hole Size" at 94.302,37.233 h1.83
  text "Plated" at 123.25,37.233 h1.83
  text "Hole Type" at 136.099,37.233 h1.83
  text "Drill Layer Pair" at 154.738,37.233 h1.83
  text "Via/Pad" at 192.826,37.233 h1.83
  text "Pad Shape" at 207.809,37.233 h1.83
  text "Template" at 226.752,37.233 h1.83
  text "Description" at 248.844,37.233 h1.83
  text "Hole Tolerance (+)" at 270.529,37.233 h1.83
  text "Hole Tolerance (-)" at 304.403,37.233 h1.83
  text "Hole Length" at 338.276,37.233 h1.83
  text "Routed Path Length" at 367.986,37.233 h1.83
  text "1" at 79.32,33.423 h1.52
  text "0,400mm (15,75mil)" at 94.302,33.423 h1.52
  text "PTH" at 123.25,33.423 h1.52
  text "Round" at 136.099,33.423 h1.52
  text "Top Layer - Bottom Layer" at 154.738,33.423 h1.52
  text "Via" at 192.826,33.423 h1.52
  text "Rounded" at 207.809,33.423 h1.52
  text "v80h40m0mx0" at 226.752,33.423 h1.52
  text "-" at 338.276,33.423 h1.52
  text "-" at 367.986,33.423 h1.52
  text "4" at 79.32,29.613 h1.52
  text "2,200mm (86,61mil)" at 94.302,29.613 h1.52
  text "NPTH" at 123.25,29.613 h1.52
  text "Round" at 136.099,29.613 h1.52
  text "Top Layer - Bottom Layer" at 154.738,29.613 h1.52
  text "Pad" at 192.826,29.613 h1.52
  text "Rounded" at 207.809,29.613 h1.52
  text "c220hn220m230" at 226.752,29.613 h1.52
  text "-" at 338.276,29.613 h1.52
  text "-" at 367.986,29.613 h1.52
  text "4" at 79.32,25.803 h1.52
  text "3,000mm (118,11mil)" at 94.302,25.803 h1.52
  text "NPTH" at 123.25,25.803 h1.52
  text "Slot" at 136.099,25.803 h1.52
  text "Top Layer - Bottom Layer" at 154.738,25.803 h1.52
  text "Pad" at 192.826,25.803 h1.52
  text "Rounded" at 207.809,25.803 h1.52
  text "(Mixed)" at 226.752,25.803 h1.52
  text "5,000mm (196,85mil)" at 338.276,25.803 h1.52
  text "2,000mm (78,74mil)" at 367.986,25.803 h1.52
  text "18" at 79.32,21.993 h1.52
  text "1,100mm (43,31mil)" at 94.302,21.993 h1.52
  text "PTH" at 123.25,21.993 h1.52
  text "Round" at 136.099,21.993 h1.52
  text "Top Layer - Bottom Layer" at 154.738,21.993 h1.52
  text "Pad" at 192.826,21.993 h1.52
  text "(Mixed)" at 207.809,21.993 h1.52
  text "(Mixed)" at 226.752,21.993 h1.52
  text "-" at 338.276,21.993 h1.52
  text "-" at 367.986,21.993 h1.52
  text "20" at 79.32,18.183 h1.52
  text "0,800mm (31,50mil)" at 94.302,18.183 h1.52
  text "PTH" at 123.25,18.183 h1.52
  text "Round" at 136.099,18.183 h1.52
  text "Top Layer - Bottom Layer" at 154.738,18.183 h1.52
  text "Pad" at 192.826,18.183 h1.52
  text "(Mixed)" at 207.809,18.183 h1.52
  text "(Mixed)" at 226.752,18.183 h1.52
  text "-" at 338.276,18.183 h1.52
  text "-" at 367.986,18.183 h1.52
  text "140" at 79.32,14.373 h1.52
  text "0,300mm (11,81mil)" at 94.302,14.373 h1.52
  text "PTH" at 123.25,14.373 h1.52
  text "Round" at 136.099,14.373 h1.52
  text "Top Layer - Bottom Layer" at 154.738,14.373 h1.52
  text "Via" at 192.826,14.373 h1.52
  text "Rounded" at 207.809,14.373 h1.52
  text "v70h30m0mx0" at 226.752,14.373 h1.52
  text "-" at 338.276,14.373 h1.52
  text "-" at 367.986,14.373 h1.52
  text "187 Total" at 79.32,10.563 h1.52
  text "Slot definitions :" at 66.471,6.881 h1.52
  text "Routed Path Length" at 92.701,6.881 h1.52
  text "= Calculated from tool start centre position to tool end centre position." at 120.709,6.881 h1.52
  text "Hole Length" at 92.701,4.342 h1.52
  text "= Routed Path Length + Tool Size = Slot length as defined in the PCB layout" at 110.299,4.342 h1.52

## Text inside footprints (layer, text, board x,y; h text height)
XP4: Bottom Overlay "1" at 32.8,9.4 h1.5 r90; Bottom Overlay "5" at 36.9,9.5 h1.5 r90
XP5: Bottom Overlay "1" at 8.875,8.8 h1 r90; Bottom Overlay "11" at 19.025,9.6 h1 r90